# KiCad board RASBB.kicad_pcb (continued)
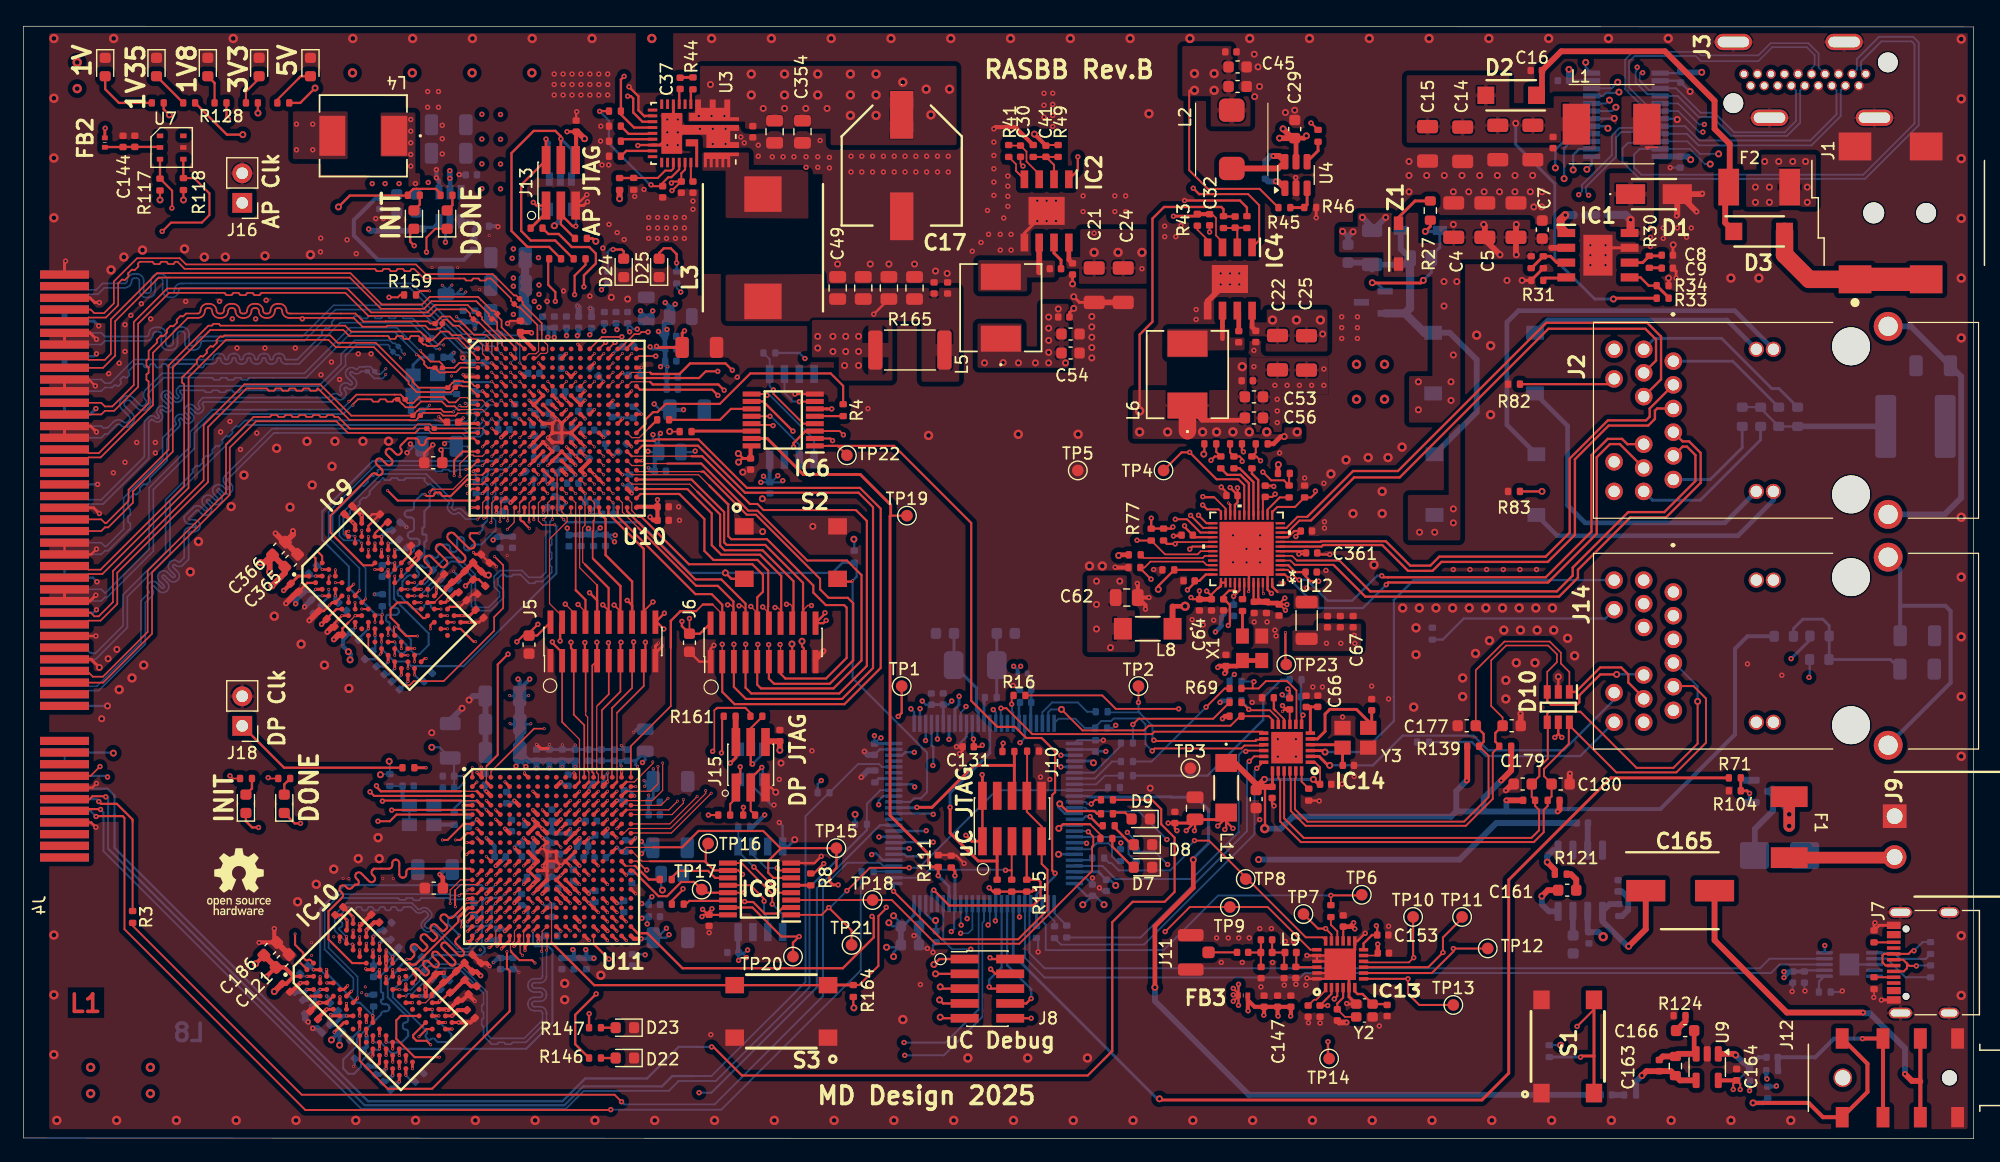
[diagram p0: board, top side]
## Routing (per net, layer and track width the routed paths; a pad name or vN(x,y) marks a point on that pad's centre or on a via; arc(x,y) is an arc through that point) (continued)
  Bottom w0.2: 39.82,55.93 39.82,53.63 39.77,53.58
/DDR3-01/DDR301_DQ0: length 25.7
  Top w0.177: 28.33,47.57 IC9.E3 ; U10.K5 v2(41.77,60.14)
  In3.Cu w0.1: 40.07,60.14 37.45,60.14 35.48,58.17 35.24,58.17
  In3.Cu w0.177: 40.07,60.14 40.46,60.53 41.38,60.53 v2(41.77,60.14) ; 35.24,58.17 34.32,58.17 33.66,57.51 arc(33.53,57.46) 33.39,57.51 arc(33.26,57.57) 33.13,57.51 32.97,57.36 arc(32.91,57.22) 32.97,57.09 33.24,56.82 arc(33.3,56.68) 33.24,56.55 33.09,56.4 arc(32.95,56.34) 32.82,56.4 32.55,56.67 arc(32.41,56.72) 32.28,56.67 32.12,56.5 arc(32.06,56.37) 32.12,56.23 arc(32.17,56.1) 32.12,55.96 30.26,54.11 30.26,52.82 28.39,50.95 28.39,50.11 arc(28.31,49.91) 28.12,49.83 arc(27.92,49.75) 27.84,49.56 27.84,49.51 arc(27.92,49.31) 28.12,49.23 arc(28.31,49.15) 28.39,48.96 28.39,48.91 arc(28.31,48.71) 28.12,48.63 arc(27.92,48.55) 27.84,48.36 27.84,48.31 arc(27.92,48.11) 28.12,48.03 arc(28.31,47.95) 28.39,47.76 28.39,47.63 v2(28.33,47.57)
/DDR3-01/DDR301_DQ1: length 25.7
  Top w0.177: IC9.F7 30.13,48.82 ; U10.L3 v2(40.17,59.34)
  In3.Cu w0.177: v2(40.17,59.34) 40.57,58.94 40.57,58.42 40.26,58.11 38.09,58.11 arc(37.91,58.18) 37.84,58.36 arc(37.77,58.53) 37.59,58.61 37.54,58.61 arc(37.36,58.53) 37.29,58.36 arc(37.22,58.18) 37.04,58.11 35.19,56.26 35.19,55.11 arc(35.11,54.92) 34.93,54.85 34.35,54.85 arc(34.17,54.77) 34.09,54.59 34.09,54.56 arc(34.17,54.37) 34.35,54.3 34.93,54.3 arc(35.11,54.22) 35.19,54.04 35.19,53.44 34.8,53.05 arc(34.72,52.86) 34.8,52.68 34.92,52.55 arc(35,52.37) 34.92,52.18 34.9,52.16 arc(34.71,52.09) 34.53,52.16 33.63,53.06 arc(33.45,53.14) 33.26,53.06 33.24,53.04 arc(33.16,52.86) 33.24,52.67 33.92,52 arc(33.96,51.91) 33.92,51.82 33.71,51.61 arc(33.62,51.57) 33.53,51.61 33.1,52.04 arc(32.91,52.11) 32.73,52.04 32.71,52.02 arc(32.63,51.83) 32.71,51.65 32.87,51.49 arc(32.95,51.3) 32.87,51.12 31.87,51.12 30.66,49.91 arc(30.59,49.88) 30.52,49.91 arc(30.45,49.94) 30.38,49.91 30.13,49.66 arc(30.1,49.59) 30.13,49.52 arc(30.16,49.45) 30.13,49.38 v2(30.13,48.82)
/DDR3-01/DDR301_DQ2: length 26
  Top w0.177: IC9.F2 27.89,46.52 ; v2(40.17,60.94) U10.K3
  In3.Cu w0.177: v2(27.88,46.53) 27.54,46.87 27.54,52.84 29.37,54.66 arc(29.49,54.72) 29.61,54.66 arc(29.74,54.61) 29.86,54.66 30.04,54.84 arc(30.09,54.97) 30.04,55.09 29.79,55.34 arc(29.74,55.46) 29.79,55.58 29.97,55.76 arc(30.09,55.81) 30.21,55.76 30.46,55.51 arc(30.58,55.46) 30.71,55.51 30.89,55.69 arc(30.94,55.81) 30.89,55.94 30.64,56.19 arc(30.59,56.31) 30.64,56.43 30.81,56.61 arc(30.94,56.66) 31.06,56.61 arc(31.19,56.56) 31.31,56.61 31.49,56.79 arc(31.54,56.91) 31.49,57.03 arc(31.44,57.16) 31.49,57.28 31.66,57.46 arc(31.79,57.51) 31.91,57.46 arc(32.03,57.41) 32.16,57.46 35.17,60.47 39.57,60.47 40.04,60.94 v2(40.17,60.94)
/DDR3-01/DDR301_DQ3: length 25.8
  Top w0.177: IC9.F8 v2(31.28,49.95) ; U10.L6 v2(42.57,59.34)
  In3.Cu w0.177: v2(42.57,59.34) 42.2,58.97 41.66,58.97 41.37,58.68 41.37,58.23 41.22,58.08 40.73,58.08 40.51,57.86 40.51,57.53 40.31,57.33 40.05,57.33 arc(39.92,57.27) 39.86,57.13 arc(39.8,56.99) 39.66,56.94 39.5,56.94 arc(39.37,56.99) 39.31,57.13 arc(39.25,57.27) 39.11,57.33 38.68,57.76 37.27,57.76 35.64,56.13 35.64,53.33 arc(35.58,53.2) 35.44,53.14 arc(35.3,53.08) 35.25,52.94 35.25,52.78 arc(35.3,52.65) 35.44,52.59 arc(35.58,52.53) 35.64,52.39 34.93,51.68 arc(34.85,51.5) 34.93,51.31 35.09,51.15 arc(35.17,50.97) 35.09,50.78 35.07,50.76 arc(34.89,50.69) 34.7,50.76 34.18,51.28 arc(34.01,51.36) 33.83,51.28 33.79,51.24 arc(33.72,51.07) 33.79,50.89 34.13,50.56 arc(34.19,50.4) 34.13,50.25 34.05,50.17 arc(33.89,50.1) 33.74,50.17 arc(33.58,50.24) 33.42,50.17 33.42,50.06 33.18,49.82 32.93,49.82 32.59,49.48 32.16,49.05 31.99,49.05 31.42,48.48 30.82,48.48 30.58,48.72 30.58,49.25 v2(31.28,49.95)
/DDR3-01/DDR301_DQ4: length 25.8
  Top w0.177: U10.M3 v2(40.17,58.54) ; IC9.H3 v2(29.02,45.43)
  In3.Cu w0.177: v2(40.17,58.54) 39.74,58.97 37.35,58.97 34.88,56.5 34.88,56.08 34.52,55.72 arc(34.4,55.67) 34.29,55.72 arc(34.17,55.76) 34.06,55.72 33.86,55.52 arc(33.82,55.41) 33.86,55.29 arc(33.91,55.18) 33.86,55.06 33.24,54.44 arc(33.12,54.39) 33,54.44 arc(32.88,54.49) 32.76,54.44 32.58,54.25 arc(32.53,54.13) 32.58,54.01 32.92,53.67 arc(33.01,53.47) 32.92,53.27 32.9,53.24 arc(32.7,53.16) 32.5,53.24 32.47,53.27 arc(32.27,53.35) 32.07,53.27 32.07,52.35 31.91,52.19 arc(31.7,52.11) 31.5,52.19 31.48,52.22 arc(31.28,52.3) 31.07,52.22 31.05,52.19 arc(30.97,51.99) 31.05,51.79 31.08,51.77 arc(31.16,51.56) 31.08,51.36 30.34,50.62 arc(30.31,50.55) 30.34,50.48 arc(30.36,50.41) 30.34,50.34 30.05,50.05 arc(29.98,50.02) 29.91,50.05 arc(29.84,50.08) 29.77,50.05 29.77,48.8 arc(29.74,48.73) 29.67,48.7 arc(29.6,48.67) 29.57,48.6 29.57,48.2 arc(29.6,48.13) 29.67,48.1 30.06,48.1 arc(30.26,48.02) 30.34,47.82 30.34,47.79 arc(30.26,47.59) 30.06,47.5 arc(29.85,47.42) 29.77,47.22 29.77,45.37 29.42,45.02 29.16,45.02 29.02,45.16 v2(29.02,45.43)
/DDR3-01/DDR301_DQ5: length 25.8
  Top w0.177: v2(36.94,56.87) 36.94,58.19 37.69,58.94 U10.M1 ; IC9.H8 v2(32.41,48.82)
  In3.Cu w0.177: v2(36.94,56.87) 36.05,55.98 arc(36.11,55.84) 36.25,55.78 arc(36.38,55.73) 36.44,55.59 36.44,55.38 arc(36.38,55.24) 36.25,55.18 arc(36.11,55.13) 36.05,54.99 36.05,52.18 arc(35.97,51.98) 35.76,51.89 35.74,51.89 arc(35.54,51.81) 35.46,51.61 35.46,51.58 arc(35.54,51.38) 35.74,51.29 35.76,51.29 arc(35.97,51.21) 36.05,51.01 36.05,50.75 35.59,50.29 arc(35.4,50.21) 35.21,50.29 arc(35.02,50.37) 34.82,50.29 34.78,50.25 arc(34.7,50.05) 34.78,49.86 35.15,49.5 arc(35.22,49.32) 35.15,49.15 35.07,49.07 arc(34.9,49) 34.72,49.07 34.33,49.47 arc(34.13,49.55) 33.93,49.47 33.9,49.45 arc(33.82,49.24) 33.9,49.04 34.3,48.65 arc(34.37,48.47) 34.3,48.3 34.22,48.22 arc(34.05,48.15) 33.87,48.22 33.48,48.62 arc(33.28,48.7) 33.08,48.62 33.06,48.6 arc(32.97,48.4) 33.06,48.19 33.07,48.18 arc(33.16,47.97) 33.07,47.77 32.53,47.23 32.53,46.71 32.25,46.43 31.38,46.43 31.08,46.73 31.08,46.99 31.61,47.52 31.62,47.52 32.41,48.31 v2(32.41,48.82)
/DDR3-01/DDR301_DQ6: length 25.7
  Top w0.177: U10.L4 v2(40.97,59.34) ; 28.45,45.98 IC9.G2
  In3.Cu w0.177: v2(28.44,45.99) 29.36,46.91 29.36,47.33 28.87,47.82 arc(28.84,47.89) 28.77,47.92 arc(28.7,47.95) 28.67,48.02 28.67,48.42 arc(28.7,48.49) 28.77,48.52 29.05,48.52 arc(29.18,48.57) 29.23,48.7 29.23,48.94 arc(29.18,49.07) 29.05,49.12 28.77,49.12 arc(28.7,49.15) 28.67,49.22 28.67,49.62 arc(28.7,49.69) 28.77,49.72 arc(28.84,49.75) 28.87,49.82 28.87,50.37 30.57,52.07 30.57,52.79 arc(30.69,52.85) 30.81,52.79 arc(30.93,52.74) 31.05,52.79 31.26,53 arc(31.31,53.12) 31.26,53.24 31.01,53.48 arc(30.96,53.61) 31.01,53.73 31.19,53.91 arc(31.31,53.96) 31.44,53.91 31.68,53.66 arc(31.81,53.61) 31.93,53.66 32.11,53.84 arc(32.16,53.96) 32.11,54.09 31.86,54.33 arc(31.81,54.45) 31.86,54.57 32.05,54.75 arc(32.17,54.8) 32.29,54.75 arc(32.41,54.7) 32.53,54.75 32.99,55.22 37.46,59.68 40.33,59.68 40.67,59.34 v2(40.97,59.34)
/DDR3-01/DDR301_DQ7: length 25.8
  Top w0.1: U10.M2 39.37,58.54 38.67,58.54 arc(38.63,58.55) 38.62,58.59 arc(38.61,58.63) 38.57,58.64 38.17,58.64 arc(38.13,58.63) 38.12,58.59 arc(38.11,58.55) 38.07,58.54 37.44,57.91 v2(37.44,56.79)
  Top w0.177: IC9.H7 v2(31.85,48.26)
  In3.Cu w0.177: v2(37.44,56.79) 36.77,56.12 36.77,55.11 arc(36.72,54.99) 36.6,54.94 arc(36.48,54.89) 36.43,54.77 36.43,54.56 arc(36.48,54.44) 36.6,54.39 arc(36.72,54.34) 36.77,54.22 36.77,54.06 arc(36.71,53.92) 36.57,53.87 arc(36.43,53.81) 36.38,53.67 36.38,53.51 arc(36.43,53.37) 36.57,53.32 arc(36.71,53.26) 36.77,53.12 36.77,52.96 arc(36.71,52.82) 36.57,52.77 arc(36.43,52.71) 36.38,52.57 36.38,52.41 arc(36.43,52.27) 36.57,52.22 arc(36.71,52.16) 36.77,52.02 36.77,51.96 arc(36.7,51.79) 36.52,51.72 arc(36.35,51.64) 36.28,51.47 36.28,51.41 arc(36.35,51.24) 36.52,51.17 arc(36.7,51.09) 36.77,50.92 36.77,50.32 36.48,50.03 arc(36.42,49.89) 36.48,49.75 arc(36.54,49.61) 36.48,49.47 36.37,49.36 arc(36.23,49.3) 36.09,49.36 arc(35.95,49.42) 35.81,49.36 35.7,49.25 arc(35.64,49.11) 35.7,48.97 arc(35.76,48.83) 35.7,48.69 35.59,48.58 arc(35.45,48.53) 35.31,48.58 arc(35.17,48.64) 35.03,48.58 34.92,48.47 arc(34.87,48.33) 34.92,48.2 arc(34.98,48.06) 34.92,47.92 34.81,47.81 arc(34.67,47.75) 34.53,47.81 arc(34.4,47.86) 34.26,47.81 32.33,45.88 30.81,45.88 30.47,46.22 30.47,47.16 30.76,47.45 30.76,47.78 31.06,48.08 31.67,48.08 v2(31.85,48.26)
/DDR3-01/DDR301_DQ8: length 23
  Top w0.1: v2(41.53,52.99) 41.55,53.01 41.55,53.96 U10.V4
  Top w0.177: IC9.D7 v2(29.58,50.52)
  In4.Cu w0.177: v2(29.58,50.52) 29.29,50.52 28.17,49.4 28.17,48.95 28.6,48.52 29.22,48.52 31.57,50.87 32.22,50.87 arc(32.42,50.79) 32.5,50.58 32.5,50.49 arc(32.59,50.29) 32.79,50.21 32.82,50.21 arc(33.02,50.29) 33.1,50.49 33.1,50.58 arc(33.19,50.79) 33.39,50.87 33.42,50.87 arc(33.62,50.79) 33.71,50.58 33.71,50.49 arc(33.79,50.29) 33.99,50.21 34.02,50.21 arc(34.22,50.29) 34.31,50.49 34.31,50.58 arc(34.39,50.79) 34.59,50.87 34.62,50.87 arc(34.82,50.79) 34.91,50.58 34.91,50.49 arc(34.99,50.29) 35.19,50.21 35.22,50.21 arc(35.42,50.29) 35.5,50.49 35.5,50.58 arc(35.59,50.79) 35.79,50.87 35.82,50.87 arc(36.02,50.79) 36.1,50.58 36.1,50.49 arc(36.19,50.29) 36.39,50.21 36.42,50.21 arc(36.62,50.29) 36.71,50.49 36.71,50.58 arc(36.79,50.79) 36.99,50.87 37.14,50.87 37.59,51.33 39.63,51.33 40.12,51.82 40.54,51.82 41.53,52.81 v2(41.53,52.99)
/DDR3-01/DDR301_DQ9: length 23
  Top w0.1: U10.T4 v2(40.97,55.34)
  Top w0.177: v2(26.76,48.79) IC9.C3
  In4.Cu w0.177: v2(40.97,55.34) 40.21,54.58 36.5,54.58 arc(36.42,54.54) 36.39,54.46 arc(36.36,54.38) 36.28,54.35 35.9,54.35 arc(35.82,54.38) 35.79,54.46 arc(35.76,54.54) 35.68,54.58 35.3,54.58 arc(35.22,54.54) 35.19,54.46 arc(35.16,54.38) 35.08,54.35 34.7,54.35 arc(34.62,54.38) 34.59,54.46 arc(34.56,54.54) 34.48,54.58 32.53,54.58 32.27,54.32 29.7,54.32 arc(29.62,54.35) 29.58,54.43 arc(29.55,54.51) 29.47,54.55 29.1,54.55 arc(29.02,54.51) 28.98,54.43 arc(28.95,54.35) 28.87,54.32 28.22,54.32 27.77,53.87 arc(27.62,53.81) 27.47,53.87 arc(27.32,53.93) 27.16,53.87 27.04,53.75 arc(26.98,53.6) 27.04,53.45 27.33,53.16 arc(27.39,53.03) 27.33,52.89 27.17,52.73 arc(27.03,52.67) 26.9,52.73 arc(26.76,52.79) 26.63,52.73 26.17,52.27 26.17,51.3 arc(26.2,51.23) 26.26,51.21 arc(26.32,51.18) 26.35,51.12 26.35,50.7 arc(26.32,50.63) 26.26,50.61 arc(26.2,50.58) 26.17,50.52 26.76,49.93 v2(26.76,48.79)
/DDR3-01/DDR301_DQ10: length 23
  Top w0.1: 40.96,54.56 40.96,53.48 40.88,53.4 v2(40.88,52.92)
  Top w0.177: 40.96,54.56 40.96,54.64 41.25,54.94 U10.U4 ; IC9.C8 v2(29.58,51.65)
  In4.Cu w0.177: v2(29.58,51.65) 29.44,51.79 29.44,52.1 29.69,52.35 30.16,52.35 30.36,52.15 30.36,51.36 30.56,51.15 30.87,51.15 31.28,51.57 31.75,51.57 arc(31.87,51.52) 31.92,51.4 arc(31.97,51.28) 32.09,51.23 32.25,51.23 arc(32.37,51.28) 32.42,51.4 32.42,51.79 arc(32.49,51.95) 32.64,52.01 32.7,52.01 arc(32.85,51.95) 32.92,51.79 32.92,51.4 arc(32.97,51.28) 33.09,51.23 33.25,51.23 arc(33.37,51.28) 33.42,51.4 33.42,51.77 arc(33.48,51.91) 33.62,51.96 33.72,51.96 arc(33.86,51.91) 33.92,51.77 33.92,51.35 arc(33.99,51.19) 34.14,51.13 34.2,51.13 arc(34.35,51.19) 34.42,51.35 34.42,51.83 arc(34.49,52) 34.66,52.07 34.68,52.07 arc(34.85,52) 34.92,51.83 34.92,51.4 arc(34.97,51.28) 35.09,51.23 35.25,51.23 arc(35.37,51.28) 35.42,51.4 35.42,51.77 arc(35.48,51.91) 35.62,51.96 35.72,51.96 arc(35.86,51.91) 35.92,51.77 35.92,51.37 arc(35.98,51.23) 36.12,51.18 36.23,51.18 arc(36.37,51.23) 36.42,51.37 arc(36.48,51.51) 36.62,51.57 37.37,52.32 37.65,52.32 arc(37.81,52.25) 37.88,52.08 37.88,51.91 arc(37.95,51.74) 38.12,51.67 38.15,51.67 arc(38.31,51.74) 38.38,51.91 38.38,52.08 arc(38.45,52.25) 38.62,52.32 40.27,52.32 40.87,52.92 v2(40.88,52.92)
/DDR3-01/DDR301_DQ11: length 23
  Top w0.1: v2(41.5,52.27) 42.09,52.86 42.09,54.06 U10.V5
  Top w0.177: IC9.C2 26.19,48.17 v2(26.29,48.27)
  In4.Cu w0.1: 40.75,51.1 40.6,50.95 39.88,50.95 39.81,51.02
  In4.Cu w0.177: 40.75,51.1 41.5,51.85 v2(41.5,52.27) ; 39.81,51.02 37.92,51.02 36.72,49.82 35.84,49.82 arc(35.64,49.74) 35.56,49.53 35.56,49.49 arc(35.47,49.29) 35.27,49.2 35.24,49.2 arc(35.04,49.29) 34.96,49.49 34.96,49.53 arc(34.87,49.74) 34.67,49.82 34.64,49.82 arc(34.44,49.74) 34.35,49.53 34.35,49.49 arc(34.27,49.29) 34.07,49.2 34.04,49.2 arc(33.84,49.29) 33.75,49.49 33.75,49.53 arc(33.67,49.74) 33.47,49.82 32.82,49.82 31.17,48.17 30.74,48.17 arc(30.54,48.09) 30.46,47.88 30.46,47.84 arc(30.37,47.64) 30.17,47.55 30.14,47.55 arc(29.94,47.64) 29.86,47.84 29.86,47.88 arc(29.77,48.09) 29.57,48.17 29.54,48.17 arc(29.34,48.09) 29.26,47.88 29.26,47.84 arc(29.17,47.64) 28.97,47.55 28.94,47.55 arc(28.74,47.64) 28.66,47.84 28.66,47.88 arc(28.57,48.09) 28.37,48.17 28.27,48.27 v2(26.29,48.27)
/DDR3-01/DDR301_DQ12: length 23
  Top w0.177: U10.V1 v2(38.47,54.14) ; IC9.A7 27.65,51.89 27.65,52.05 27.71,52.11 v2(27.9,52.11)
  In4.Cu w0.177: v2(27.9,52.11) 28.11,51.9 28.11,51.5 28.52,51.09 28.52,50.3 28.25,50.03 27.5,50.03 26.69,50.84 26.69,51.72 28.96,53.99 31.92,53.99 arc(32.12,53.91) 32.21,53.7 32.21,53.51 arc(32.29,53.31) 32.49,53.22 32.52,53.22 arc(32.72,53.31) 32.81,53.51 32.81,54.09 arc(32.84,54.17) 32.91,54.2 33.3,54.2 arc(33.37,54.17) 33.41,54.09 33.41,53.51 arc(33.49,53.31) 33.69,53.22 33.72,53.22 arc(33.92,53.31) 34,53.51 34,53.7 arc(34.09,53.91) 34.29,53.99 34.32,53.99 arc(34.52,53.91) 34.6,53.7 34.6,53.51 arc(34.69,53.31) 34.89,53.22 34.92,53.22 arc(35.12,53.31) 35.21,53.51 35.21,53.7 arc(35.29,53.91) 35.49,53.99 38.32,53.99 v2(38.47,54.14)
/DDR3-01/DDR301_DQ13: length 23
  Top w0.177: IC9.A2 25.06,49.78 v2(24.9,49.94) ; U10.T3 v2(40.17,55.34)
  In4.Cu w0.177: v2(24.9,49.94) 24.87,49.97 24.87,52.48 27.65,55.26 31.65,55.26 arc(31.72,55.29) 31.75,55.36 arc(31.78,55.43) 31.85,55.46 32.3,55.46 arc(32.37,55.43) 32.4,55.36 arc(32.43,55.29) 32.5,55.26 33.42,55.26 34.07,55.91 37.43,55.91 38,56.48 40.32,56.48 40.52,56.28 40.52,55.69 v2(40.17,55.34)
/DDR3-01/DDR301_DQ14: length 23
  Top w0.1: v2(40.09,52.85) 40.16,52.91 40.16,54.52 U10.U3
  Top w0.177: IC9.B8 v2(29.02,52.18)
  In4.Cu w0.177: 29.41,52.7 29.02,52.31 v2(29.02,52.18)
  In4.Cu w0.2: 29.41,52.7 29.57,52.86 29.79,52.86 arc(30,52.94) 30.08,53.14 30.08,53.23 arc(30.16,53.43) 30.36,53.51 30.39,53.51 arc(30.6,53.43) 30.68,53.23 30.68,52.49 arc(30.76,52.29) 30.96,52.21 30.99,52.21 arc(31.2,52.29) 31.28,52.49 31.28,53.23 arc(31.36,53.43) 31.56,53.51 31.59,53.51 arc(31.8,53.43) 31.88,53.23 31.88,52.49 arc(31.96,52.29) 32.16,52.21 32.19,52.21 arc(32.4,52.29) 32.48,52.49 32.48,52.57 arc(32.56,52.78) 32.76,52.86 33.44,52.86 arc(33.65,52.78) 33.73,52.57 33.73,52.54 arc(33.81,52.34) 34.01,52.26 34.04,52.26 arc(34.25,52.34) 34.33,52.54 34.33,52.57 arc(34.41,52.78) 34.61,52.86 34.64,52.86 arc(34.85,52.78) 34.93,52.57 34.93,52.49 arc(35.01,52.29) 35.21,52.21 35.24,52.21 arc(35.45,52.29) 35.53,52.49 35.53,53.23 arc(35.61,53.43) 35.81,53.51 35.84,53.51 arc(36.05,53.43) 36.13,53.23 36.13,52.49 arc(36.21,52.29) 36.41,52.21 36.44,52.21 arc(36.65,52.29) 36.73,52.49 36.73,53.23 arc(36.81,53.43) 37.01,53.51 37.04,53.51 arc(37.25,53.43) 37.33,53.23 37.33,53.14 arc(37.41,52.94) 37.61,52.86 38.73,52.86 38.8,52.79 40.03,52.79 v2(40.09,52.85)
/DDR3-01/DDR301_DQ15: length 23
  Top w0.177: IC9.A3 25.62,49.98 v2(25.21,50.39)
  Top w0.25: U10.R3 v2(40.17,56.14)
  In4.Cu w0.177: v2(40.17,56.14) 39.79,55.76 39.29,55.76 39.01,55.48 arc(38.93,55.45) 38.84,55.48 arc(38.75,55.52) 38.66,55.48 38.41,55.24 arc(38.38,55.15) 38.41,55.06 arc(38.45,54.97) 38.41,54.88 37.32,54.88 arc(37.12,54.97) 37.04,55.17 37.04,55.3 arc(36.95,55.5) 36.75,55.58 36.72,55.58 arc(36.52,55.5) 36.44,55.3 36.44,55.17 arc(36.35,54.97) 36.15,54.88 36.12,54.88 arc(35.92,54.97) 35.84,55.17 35.84,55.3 arc(35.75,55.5) 35.55,55.58 35.52,55.58 arc(35.32,55.5) 35.24,55.3 35.24,55.17 arc(35.15,54.97) 34.95,54.88 31.35,54.88 arc(31.26,54.85) 31.23,54.76 arc(31.19,54.67) 31.1,54.63 30.75,54.63 arc(30.66,54.67) 30.63,54.76 arc(30.59,54.85) 30.5,54.88 27.71,54.88 25.21,52.39 25.21,51.78 arc(25.25,51.68) 25.35,51.64 arc(25.46,51.6) 25.5,51.49 25.5,51.18 arc(25.46,51.08) 25.35,51.04 arc(25.25,51) 25.21,50.89 v2(25.21,50.39)
/DDR3-01/DDR301_LDM: length 27
  Top w0.177: U10.L1 38.64,60.07 34.78,60.07 arc(34.58,59.99) 34.5,59.78 34.5,59.77 arc(34.41,59.56) 34.21,59.48 34.18,59.48 arc(33.98,59.56) 33.9,59.77 33.9,59.78 arc(33.81,59.99) 33.61,60.07 32.96,60.07 32.38,59.49 arc(32.31,59.32) 32.38,59.15 arc(32.46,58.98) 32.38,58.81 32.3,58.73 arc(32.13,58.66) 31.96,58.73 31.57,59.11 arc(31.37,59.2) 31.17,59.11 31.15,59.09 arc(31.07,58.89) 31.15,58.69 31.58,58.26 arc(31.66,58.06) 31.58,57.86 31.56,57.83 arc(31.36,57.75) 31.16,57.83 30.72,58.27 arc(30.52,58.35) 30.32,58.27 30.3,58.24 arc(30.22,58.04) 30.3,57.84 30.73,57.41 arc(30.81,57.21) 30.73,57.01 30.71,56.99 arc(30.51,56.9) 30.31,56.99 30.29,57 arc(30.09,57.08) 29.89,57 26.33,53.44 26.33,52 29.15,49.18 29.94,49.18 IC9.E7
/DDR3-01/DDR301_LDQS_N: length 23.9
  Top w0.141: IC9.G3 29.04,45.99 ; U10.N1 38.25,57.42 v2(37.95,57.42)
  Top w0.177: 29.04,45.99 v2(29.35,46.3)
  Bottom w0.141: v2(29.35,46.3) 29.35,48.94 26.52,51.77 26.52,53.52 29,56 arc(29.06,56.03) 29.11,56 arc(29.16,55.98) 29.21,56 29.53,56.33 arc(29.55,56.38) 29.53,56.43 arc(29.51,56.48) 29.53,56.53 29.85,56.85 arc(29.9,56.87) 29.96,56.85 arc(30.01,56.83) 30.06,56.85 30.38,57.17 arc(30.4,57.23) 30.38,57.28 arc(30.36,57.33) 30.38,57.38 35.25,57.38 arc(35.31,57.36) 35.33,57.31 arc(35.35,57.26) 35.4,57.23 35.85,57.23 arc(35.91,57.26) 35.93,57.31 arc(35.95,57.36) 36,57.38 36.46,57.38 arc(36.51,57.36) 36.53,57.31 arc(36.55,57.26) 36.6,57.24 37.06,57.24 arc(37.11,57.26) 37.13,57.31 arc(37.15,57.36) 37.2,57.38 37.91,57.38 v2(37.95,57.42)
/DDR3-01/DDR301_LDQS_P: length 23.9
  Top w0.141: U10.N2 v2(39.37,57.74)
  Top w0.177: IC9.F3 28.45,46.65 v2(28.82,47.02)
  Bottom w0.141: v2(39.37,57.74) 30.15,57.74 26.17,53.76 26.17,51.57 28.82,48.92 v2(28.82,47.02)
/DDR3-01/DDR301_nCAS: length 30.6
  Top w0.1: U10.M4 v2(40.97,58.54)
  Top w0.177: v2(30.78,44.95) 30.72,44.89 IC9.K3
  Bottom w0.141: 40.55,58.12 40.56,58.13 ; 30.03,58.13 30.04,58.12
  Bottom w0.177: v2(30.78,44.95) R86.1 ; 27.91,47.24 27.91,49.08 25.63,51.36 25.63,53.8 29.96,58.13 30.03,58.13 ; v2(40.97,58.54) 40.56,58.13 ; 30.04,58.12 40.55,58.12
  Bottom w0.2: v2(30.78,44.95) 30.2,44.95 27.91,47.24
/DDR3-01/DDR301_nCS: length 28
  Top w0.1: U10.U8 44.17,54.54 44.17,52.99 44.52,52.64 45.56,52.64 v2(45.57,52.65)
  Top w0.177: IC9.L2 v2(30.72,42.6)
  Bottom w0.177: v2(30.72,42.6) 30.72,42.01 31.8,40.93 32.87,40.93 33.27,40.52 37.74,40.52 45.71,48.49 45.71,52.5 45.72,52.5 v2(45.57,52.65)
/DDR3-01/DDR301_nRAS: length 31
  Top w0.141: IC9.J3 v2(30.15,44.3) ; U10.P3 v2(40.17,56.94)
  In4.Cu w0.141: 34.2,56.23 37.34,56.23 38.03,56.92 40.15,56.92 v2(40.17,56.94)
  In4.Cu w0.177: 34.2,56.23 34.19,56.22 27.55,56.22 24.07,52.74 24.07,48.76 26.05,46.78 26.5,46.78 26.62,46.9 27.02,46.9 29.62,44.3 v2(30.15,44.3)
/DDR3-01/DDR301_nRST: length 42
  Top w0.1: U10.K6 v2(42.57,60.14)
  Top w0.177: IC9.T2 v2(33.54,39.77)
  In3.Cu w0.141: 36.06,61.28 41.43,61.28 ; 32.54,38.91 32.57,38.88 33.18,38.88 33.54,39.24 33.54,39.43
  In3.Cu w0.177: 32.54,38.91 32.52,38.89 29.4,38.89 27.1,41.19 27.1,44.6 26.98,44.72 26.98,45 27.02,45.04 27.02,45.81 27.1,45.89 27.1,46.7 27.09,46.71 27.09,47.54 27.1,47.55 27.1,54.25 34.13,61.28 36.06,61.28 ; 41.43,61.28 v2(42.57,60.14) ; v2(33.54,39.77) 33.54,39.43
  Bottom w0.177: 34.1,39.22 v2(33.54,39.77)
/DDR3-01/DDR301_nWE: length 28.6
  Top w0.177: IC9.L3 v2(31.28,43.17)
  Top w0.2: U10.P5 v2(41.77,56.94)
  In4.Cu w0.1: v2(41.77,56.94) 41.32,56.49 41.32,53.72 41.83,53.21 41.83,51.63
  In4.Cu w0.177: 41.83,51.63 40.84,50.64 38.11,50.64 33.68,46.21 32.66,46.21 32.39,45.94 arc(32.31,45.91) 32.22,45.94 arc(32.14,45.98) 32.05,45.94 31.8,45.69 arc(31.76,45.61) 31.8,45.52 arc(31.83,45.43) 31.8,45.35 31.8,45.34 29.85,43.39 29.18,43.39 28.6,42.81 28.6,42.15 29.25,41.5 29.54,41.5 29.82,41.78 29.82,42.32 30.62,43.12 31.23,43.12 v2(31.28,43.17)
/DDR3-01/DDR301_ODT: length 30
  Top w0.141: IC9.K1 29.58,41.88 32.58,38.88 33.11,38.88 33.48,39.25 36.05,39.25 40.37,43.57 40.37,44.74 41.15,45.52 41.15,49.19 v2(40.41,49.93) ; U10.R5 v2(41.77,56.14)
  In3.Cu w0.1: 41.77,56.13 41.44,55.8 41.44,53.63 41.5,53.63 41.83,53.3 41.83,52.88
  In3.Cu w0.141: v2(41.77,56.14) 41.77,56.13
  In3.Cu w0.177: 41.83,52.82 41.67,52.65 41.4,52.65 41.16,52.41 41.16,51.45 40.41,50.7 v2(40.41,49.93)
/DDR3-01/DDR301_UDM: length 23
  Top w0.1: IC9.D3 v2(26.76,47.69)
  Top w0.177: v2(31.23,55.6) 32.1,54.74 38.77,54.74 U10.U1
  In4.Cu w0.177: v2(31.23,55.6) 27.36,55.6 24.39,52.63 24.39,49.58 25.48,48.48 25.49,48.48 26.28,47.69 v2(26.76,47.69)
/DDR3-01/DDR301_UDQS_N: length 21.6
  Top w0.1: v2(38.94,53.14) 38.98,53.14 39.38,53.54 39.38,54.55 U10.U2
  Top w0.141: IC9.B7 28.45,51.09 v2(28.45,51.64)
  Bottom w0.141: v2(28.45,51.64) 28.37,51.72 27.58,51.72 27.44,51.86 27.44,53.28 arc(27.51,53.31) 27.57,53.28 arc(27.63,53.25) 27.7,53.28 27.99,53.58 arc(28.02,53.64) 27.99,53.7 arc(27.97,53.77) 27.99,53.83 28.29,54.13 arc(28.35,54.15) 28.42,54.13 arc(28.48,54.1) 28.54,54.13 28.84,54.42 arc(28.87,54.49) 28.84,54.55 arc(28.82,54.61) 28.84,54.68 29.14,54.98 arc(29.2,55) 29.27,54.98 arc(29.33,54.95) 29.39,54.98 29.69,55.27 arc(29.72,55.34) 29.69,55.4 arc(29.66,55.46) 29.69,55.53 30.83,56.67 arc(30.89,56.64) 30.92,56.58 arc(30.95,56.51) 31.01,56.49 31.43,56.49 arc(31.49,56.51) 31.52,56.58 arc(31.55,56.64) 31.61,56.67 32.03,56.67 arc(32.09,56.64) 32.12,56.58 arc(32.15,56.51) 32.21,56.49 32.63,56.49 arc(32.69,56.51) 32.72,56.58 arc(32.75,56.64) 32.81,56.67 34.41,56.67 arc(34.43,56.6) 34.41,56.54 arc(34.38,56.48) 34.41,56.41 34.71,56.12 arc(34.77,56.09) 34.83,56.12 arc(34.9,56.14) 34.96,56.12 35.26,55.82 arc(35.28,55.76) 35.26,55.69 arc(35.23,55.63) 35.26,55.57 35.55,55.27 arc(35.62,55.24) 35.68,55.27 arc(35.74,55.29) 35.81,55.27 36.49,54.59 arc(36.52,54.52) 36.49,54.46 arc(36.36,54.15) 36.49,53.85 36.65,53.69 arc(36.96,53.56) 37.26,53.69 arc(37.33,53.71) 37.39,53.69 37.93,53.15 38.94,53.15 v2(38.94,53.14)
/DDR3-01/DDR301_UDQS_P: length 21.6
  Top w0.1: U10.V2 39.77,53.35 39.63,53.21 v2(39.48,53.21)
  Top w0.141: IC9.C7 v2(29.02,51.08)
  Bottom w0.141: v2(39.48,53.21) 39.2,53.49 38.07,53.49 37.63,53.93 arc(37.33,54.06) 37.02,53.93 arc(36.96,53.9) 36.89,53.93 36.73,54.09 arc(36.71,54.15) 36.73,54.22 arc(36.86,54.52) 36.73,54.83 34.55,57.01 30.69,57.01 27.1,53.42 27.1,51.72 27.5,51.32 28.78,51.32 v2(29.02,51.08)
/DDR3-01/VREF_DDR3: length 11.2
  Top w0.1: 36.22,46.97 35.25,45.99
  Top w0.177: R89.1 39.29,48.66
  Top w0.25: IC9.H1 28.45,43.84 ; 35.25,45.99 IC9.M8 ; 36.22,46.97 36.22,47.2
  Top w0.4: C84.1 37.86,48.71 ; R89.1 38.58,49.34 ; 39.29,48.66 39.61,48.34 v1(39.88,48.34) ; 36.91,47.73 R88.2 ; 36.22,47.2 C77.1
  In1.Cu w0.5: 39.79,48.15 39.79,48.25 v1(39.88,48.34)
  Bottom w0.177: v2(28.47,43.82) 28.44,43.82
  Bottom w0.25: 28.44,43.82 C76.1
  Bottom w0.35: C76.1 27.42,42.8 27.42,42.22 v1(27.87,41.77) 28.07,41.57 28.07,41.12 v1(28.02,41.07)
/DDR3-2/CK_N: length 31.2
  Top w0.1: v2(44.87,16.17) 44.9,16.2 U11.V9
  Top w0.141: IC10.K7 v2(32.8,12.23)
  Bottom w0.141: v2(44.87,16.17) 44.86,16.16 44.86,13.93 arc(44.7,13.54) 44.31,13.38 43.82,13.38 arc(43.67,13.32) 43.61,13.17 43.61,13.13 arc(43.67,12.98) 43.82,12.92 44.31,12.92 arc(44.7,12.76) 44.86,12.37 44.86,12.33 arc(44.7,11.94) 44.31,11.78 43.82,11.78 arc(43.67,11.72) 43.61,11.57 43.61,11.53 arc(43.67,11.38) 43.82,11.32 44.31,11.32 arc(44.7,11.16) 44.86,10.77 44.86,10.03 43.09,8.26 41.97,8.26 arc(41.91,8.24) 41.89,8.18 arc(41.87,8.13) 41.81,8.1 41.37,8.1 arc(41.31,8.13) 41.29,8.18 arc(41.27,8.24) 41.21,8.26 40.77,8.26 arc(40.71,8.24) 40.69,8.18 arc(40.67,8.13) 40.61,8.1 40.17,8.1 arc(40.11,8.13) 40.09,8.18 arc(40.07,8.24) 40.01,8.26 39.46,8.81 39.46,9.6 arc(39.44,9.66) 39.38,9.68 arc(39.33,9.7) 39.31,9.76 39.31,10.2 arc(39.33,10.26) 39.38,10.28 arc(39.44,10.3) 39.46,10.36 39.46,10.8 arc(39.44,10.86) 39.38,10.88 arc(39.33,10.9) 39.31,10.96 39.31,11.4 arc(39.33,11.46) 39.38,11.48 arc(39.44,11.5) 39.46,11.56 39.46,12.48 37.31,14.63 35.55,14.63 35.1,14.18 R93.2 34.71,13.31 34.23,13.31 33.35,12.43 33,12.43 v2(32.8,12.23)
/DDR3-2/CK_P: length 31.4
  Top w0.1: U11.U9 44.48,17.78 44.48,16.13 v2(44.43,16.08)
  Top w0.141: IC10.J7 v2(32.24,12.79)
  Bottom w0.141: v2(32.24,12.79) 32.26,12.77 33.21,12.77 33.99,13.56 33.99,14.03 R93.1 34.76,14.81 35.24,14.81 35.41,14.97 37.38,14.97 39.76,12.59 39.76,8.96 40.12,8.6 42.95,8.6 44.52,10.17 44.52,10.77 arc(44.46,10.92) 44.31,10.98 43.82,10.98 arc(43.43,11.14) 43.27,11.53 43.27,11.57 arc(43.43,11.96) 43.82,12.12 44.31,12.12 arc(44.46,12.18) 44.52,12.33 44.52,12.37 arc(44.46,12.52) 44.31,12.58 43.82,12.58 arc(43.43,12.74) 43.27,13.13 43.27,13.17 arc(43.43,13.56) 43.82,13.72 44.31,13.72 arc(44.46,13.78) 44.52,13.93 44.52,15.99 v2(44.43,16.08)
/DDR3-2/DDR301_A0: length 28.3
  Top w0.1: 38.9,19.4 38.28,19.4 37.56,18.68 v2(37.56,18.16)
  Top w0.25: IC10.N3 v2(31.67,7.7) ; U11.R2 38.9,19.4
  In3.Cu w0.177: v2(37.56,18.16) 37.71,18.01 37.71,15.61 37.48,15.38 37.48,14.09 36.68,13.29 arc(36.48,13.2) 36.27,13.29 36.16,13.4 arc(35.96,13.49) 35.76,13.4 35.73,13.38 arc(35.65,13.18) 35.73,12.98 35.85,12.86 arc(35.93,12.66) 35.85,12.46 35.28,11.89 34.92,11.89 34.81,12 34.19,12 33.59,11.41 33.59,11.41 33.5,11.31 31.33,11.31 29.07,9.05 29.07,8.69 29.06,8.68 29.06,7.63 27.56,6.13 27.56,5.77 27.98,5.35 28.7,5.35 31.05,7.7 v2(31.67,7.7)
